# KiCad board AT386SX.kicad_pcb (continued)
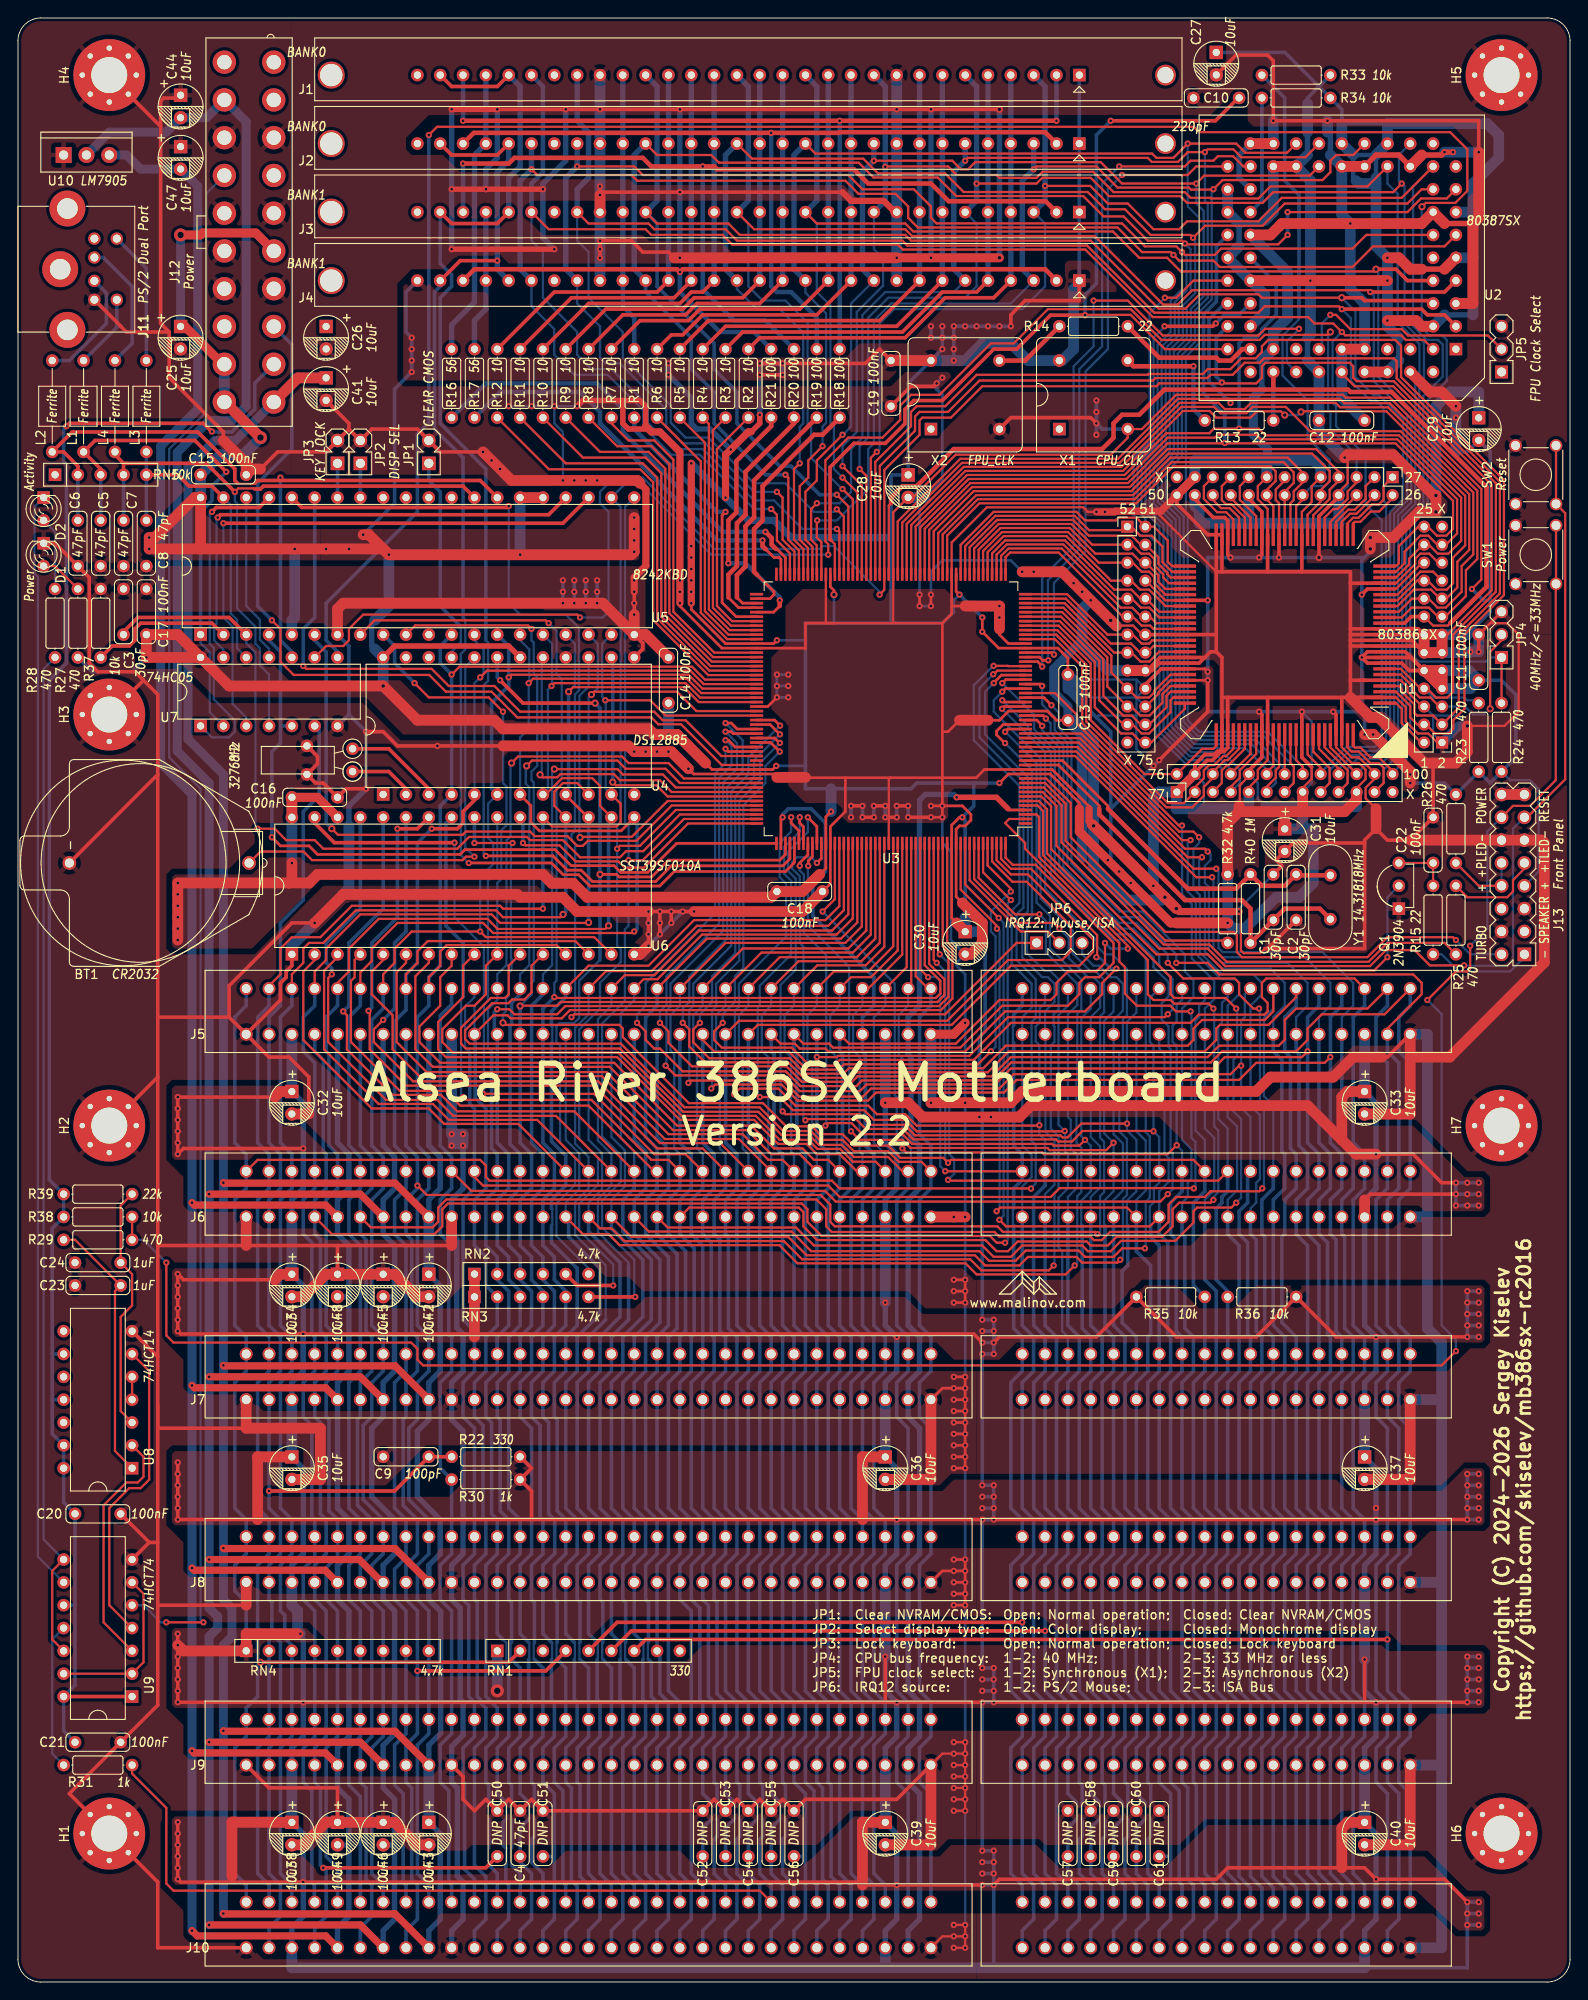
[diagram p0: board, top side]
## Routing (per net, layer and track width the routed paths; a pad name or vN(x,y) marks a point on that pad's centre or on a via; arc(x,y) is an arc through that point) (continued)
  Bottom w0.4: v1(44.13,144.46) 41.91,146.69 41.91,148.59 U5.9 ; J10.60 96.52,10.79 95.25,12.06 95.25,26.35 96.52,27.62 J9.60 96.52,31.08 95.25,32.35 95.25,46.35 96.52,47.62 J8.60 96.52,51.44 95.25,52.71 95.25,66.68 96.52,67.94 J7.60 96.52,71.75 95.25,73.03 95.25,87 96.52,88.26 J6.60
SA3: length 190.1
  Top w0.25: J5.59 94.62,110.49 98.41,114.28 U3.185 ; U6.9 49.53,113.03 49.53,109.54 46.77,106.77 46.77,103.73 47.62,102.87 66.67,102.87 73.66,95.88 81.91,95.88 84.59,93.21 87.76,93.21 88.9,92.07 91.44,92.07 93.34,90.17 J6.59
  Bottom w0.25: J6.59 93.98,92.07 93.66,92.39 93.66,102.87 92.94,103.6 92.94,107.54 93.98,108.58 J5.59
  Bottom w0.4: J6.59 93.98,88.26 92.71,87 92.71,73.03 93.98,71.75 J7.59 93.98,67.94 92.71,66.68 92.71,52.71 93.98,51.44 J8.59 93.98,47.62 92.71,46.35 92.71,32.38 93.98,31.12 J9.59 93.98,27.31 92.71,26.03 92.71,12.06 93.98,10.79 J10.59
SA4: length 190.8
  Top w0.25: U6.8 48.26,113.03 46.99,111.76 46.99,108.58 44.68,106.27 44.68,104.55 46.99,102.23 66.36,102.23 73.34,95.25 81.6,95.25 84.14,92.71 87.31,92.71 88.58,91.44 90.17,91.44 J6.58 ; J5.58 92.71,111.76 94.93,111.76 97.91,114.73 U3.184
  Bottom w0.25: J5.58 91.44,108.58 90.4,107.54 90.4,103.6 91.12,102.87 91.12,92.39 91.44,92.07 J6.58
  Bottom w0.4: J10.58 91.44,10.79 90.49,11.75 90.49,21.91 90.17,22.22 90.17,26.03 91.44,27.31 J9.58 91.44,31.12 90.17,32.38 90.17,46.35 91.44,47.62 J8.58 91.44,51.44 90.17,52.71 90.17,66.68 91.44,67.94 J7.58 91.44,71.75 90.17,73.03 90.17,87 91.44,88.26 J6.58
SA5: length 190.1
  Top w0.25: U3.183 97.41,115.19 94.61,112.39 90.8,112.39 J5.57 ; U6.7 45.72,113.35 44.23,111.85 44.23,103.73 46.17,101.79 65.85,101.79 72.89,94.75 81.15,94.75 83.82,92.07 87,92.07 J6.57
  Bottom w0.25: J5.57 88.9,108.58 87.86,107.54 87.86,102.57 88.38,102.05 88.38,92.6 88.9,92.07 J6.57
  Bottom w0.4: J10.57 88.9,10.79 88.58,11.11 88.58,21.27 87.63,22.22 87.63,26.03 88.9,27.31 J9.57 88.9,31.12 87.63,32.38 87.63,46.35 88.9,47.62 J8.57 88.9,51.44 87.63,52.71 87.63,66.68 88.9,67.94 J7.57 88.9,71.75 87.63,73.03 87.63,87 88.9,88.26 J6.57
SA6: length 190.8
  Top w0.25: U6.6 43.18,113.35 42.14,112.3 42.14,104.55 45.48,101.2 65.48,101.2 72.39,94.3 80.64,94.3 83.5,91.44 85.09,91.44 J6.56 ; U3.181 96.41,115.14 94.35,113.09 88.96,113.09 J5.56
  Bottom w0.25: 85.41,18.1 85.34,18.17 85.34,19.93 85.41,20 ; J6.56 86.36,92.07 86.04,92.39 86.04,102.87 85.32,103.6 85.32,107.54 86.36,108.58 J5.56
  Bottom w0.4: 85.41,20 85.41,21.91 85.09,22.22 85.09,26.03 86.36,27.31 J9.56 86.36,31.12 85.09,32.38 85.09,46.35 86.36,47.62 J8.56 86.36,51.44 85.09,52.71 85.09,66.68 86.36,67.94 J7.56 86.36,71.75 85.09,73.03 85.09,87 86.36,88.26 J6.56 ; 85.41,18.1 85.41,16.19 85.09,15.88 85.09,12.06 86.36,10.79 J10.56
SA7: length 275
  Top w0.25: U6.5 40.64,113.66 39.37,112.39 39.37,109.86 41.69,107.54 41.69,103.73 44.66,100.76 64.98,100.76 71.98,93.76 80.23,93.76 J6.55 ; J10.55 82.55,10.16 17.3,10.16 16.51,10.95 16.51,19.37 12.7,23.18 R31.1 ; J5.55 86.86,113.53 93.85,113.53 95.91,115.59 U3.180
  Bottom w0.25: J6.55 83.82,92.07 83.5,92.39 83.5,102.87 82.78,103.6 82.78,107.54 83.82,108.58 J5.55 ; 82.87,18.1 82.8,18.17 82.8,19.93 82.87,20
  Bottom w0.4: J6.55 83.82,88.26 82.55,87 82.55,73.03 83.82,71.75 J7.55 83.82,67.94 82.55,66.68 82.55,52.71 83.82,51.44 J8.55 83.82,47.62 82.55,46.35 82.55,32.38 83.82,31.12 J9.55 83.82,27.31 82.55,26.03 82.55,22.22 82.87,21.91 82.87,20 ; J10.55 83.82,10.79 82.55,12.06 82.55,15.88 82.87,16.19 82.87,18.1
SA8: length 208.1
  Top w0.25: J5.54 84.77,113.98 93.35,113.98 95.41,116.04 U3.179 ; J6.54 78.14,93.31 71.44,93.31 64.57,100.17 43.97,100.17 39.6,104.55 39.6,105.95 v1(40.64,107)
  Bottom w0.25: 80.33,20 80.26,19.93 80.26,18.17 80.33,18.1 ; J6.54 81.28,92.07 80.64,92.71 80.64,103.19 80.24,103.6 80.24,107.54 81.28,108.58 J5.54
  Bottom w0.4: 80.33,18.1 80.33,16.19 80.01,15.88 80.01,12.06 81.28,10.79 J10.54 ; 80.33,20 80.33,21.91 80.01,22.22 80.01,26.03 81.28,27.31 J9.54 81.28,31.12 80.01,32.38 80.01,46.35 81.28,47.62 J8.54 81.28,51.44 80.01,52.71 80.01,66.68 81.28,67.94 J7.54 81.28,71.75 80.01,73.03 80.01,87 81.28,88.26 J6.54 ; U6.27 43.18,116.84 41.91,115.57 41.91,108.27 v1(40.64,107)
SA9: length 211
  Top w0.25: J5.53 82.75,114.5 92.91,114.5 94.91,116.5 U3.178 ; v1(39.01,108.01) 39.14,107.88 39.14,103.73 43.18,99.69 64.14,99.69 71.12,92.71 76.2,92.71 J6.53
  Top w0.4: U6.26 44.45,128.27 v1(42.23,128.27)
  Bottom w0.25: 77.79,20 77.72,19.93 77.72,18.17 77.79,18.1 ; J6.53 78.74,92.07 78.11,92.71 78.11,103.19 77.7,103.6 77.7,107.54 78.74,108.58 J5.53
  Bottom w0.4: J10.53 78.74,10.79 77.47,12.06 77.47,15.88 77.79,16.19 77.79,18.1 ; J6.53 78.74,88.26 77.47,87 77.47,83.19 78.11,82.55 78.11,72.39 78.74,71.75 J7.53 78.74,67.94 77.47,66.68 77.47,52.71 78.74,51.44 J8.53 78.74,47.62 77.47,46.35 77.47,42.54 77.79,42.23 77.79,32.07 78.74,31.12 J9.53 78.74,27.31 77.47,26.03 77.47,22.22 77.79,21.91 77.79,20 ; v1(42.23,128.27) 42.23,118.43 39.37,115.57 39.37,108.37 v1(39.01,108.01)
SA10: length 196.7
  Top w0.25: U3.177 94.41,116.95 92.41,114.95 80.66,114.95 J5.52 ; v1(51.75,98.78) 64.1,98.78 70.8,92.07 74.3,92.07 J6.52
  Bottom w0.25: J5.52 76.2,108.58 75.16,107.54 75.16,103.6 75.56,103.19 75.56,92.71 76.2,92.07 J6.52 ; v1(51.75,98.78) 51.84,98.87 51.84,108.68 52.3,109.13 52.3,122.46 53.34,123.51 U6.23
  Bottom w0.4: J10.52 76.2,10.79 74.93,12.06 74.93,26.03 76.2,27.31 J9.52 76.2,31.12 75.88,31.43 75.88,41.59 74.93,42.54 74.93,46.35 76.2,47.62 J8.52 76.2,51.44 74.93,52.71 74.93,66.68 76.2,67.94 J7.52 76.2,81.91 74.93,83.19 74.93,87 76.2,88.26 J6.52
SA11: length 199.5
  Top w0.25: J5.51 78.74,115.57 92.08,115.57 93.91,117.4 U3.176 ; v1(49.53,98.43) 49.85,98.11 63.82,98.11 70.48,91.44 72.39,91.44 J6.51
  Bottom w0.25: v1(49.53,98.43) 49.3,98.65 49.3,109.31 49.53,109.54 ; J6.51 73.66,92.07 73.03,92.71 73.03,103.19 72.62,103.6 72.62,107.54 73.66,108.58 J5.51
  Bottom w0.4: 49.53,109.54 49.53,115.57 47.62,117.47 47.62,128.91 U6.25 ; J10.51 73.66,10.79 72.39,12.06 72.39,26.03 73.66,27.31 J9.51 73.66,31.12 72.39,32.38 72.39,46.35 73.66,47.62 J8.51 73.66,51.44 72.39,52.71 72.39,66.68 73.66,67.94 J7.51 73.66,71.75 74.3,72.39 74.3,81.28 72.39,83.19 72.39,87 73.66,88.26 J6.51
SA12: length 192.3
  Top w0.25: J5.50 76.68,116.05 91.6,116.05 93.41,117.85 U3.175 ; J6.50 70.8,90.17 63.5,97.47 49.21,97.47 47.57,99.11 42.49,99.11 37.06,104.55 37.06,111.35 37.46,111.76 37.46,113.66 U6.4
  Bottom w0.25: 70.17,37.78 70.1,37.71 70.1,35.95 70.17,35.88
  Bottom w0.4: J10.50 71.12,10.79 69.85,12.06 69.85,26.03 71.12,27.31 J9.50 71.12,31.12 70.48,31.75 70.48,35.56 70.17,35.88 ; J5.50 71.12,108.58 69.85,107.31 69.85,93.98 71.12,92.71 J6.50 71.12,88.26 69.85,87 69.85,83.19 72.39,80.65 72.39,73.03 71.12,71.75 J7.50 71.12,67.94 69.85,66.68 69.85,52.71 71.12,51.44 J8.50 71.12,47.62 69.85,46.35 69.85,42.54 70.17,42.23 70.17,37.78
SA13: length 210
  Top w0.25: v1(36.2,107.95) 36.6,107.54 36.6,103.73 41.67,98.66 47.07,98.66 48.89,96.84 61.91,96.84 J6.49 ; U3.174 92.91,118.3 91.1,116.5 76.13,116.5 71.17,111.53 69.62,111.53 J5.49
  Bottom w0.25: J5.49 68.58,109.22 67.08,107.72 67.08,93.89 68.58,92.39 J6.49 ; 67.63,37.78 67.56,37.71 67.56,35.95 67.63,35.88
  Bottom w0.4: J10.49 68.58,10.79 67.31,12.06 67.31,26.03 68.58,27.31 J9.49 68.58,34.93 67.63,35.88 ; 67.63,37.78 67.63,42.23 67.31,42.54 67.31,46.35 68.58,47.62 J8.49 68.58,51.44 67.31,52.71 67.31,66.68 68.58,67.94 J7.49 68.58,71.75 70.48,73.66 70.48,80.33 67.31,83.5 67.31,87 68.58,88.26 J6.49 ; v1(36.2,107.95) 36.83,108.58 36.83,115.57 40.64,119.38 U6.28
SA14: length 211
  Top w0.25: J5.48 67.53,111.98 70.83,111.98 75.79,116.95 90.59,116.95 92.41,118.76 U3.173 ; J6.48 59.88,96.33 48.45,96.33 46.67,98.11 40.96,98.11 34.52,104.55 34.52,111.67 v1(34.92,112.08)
  Bottom w0.25: 67.94,79.69 67.94,80.01 64.54,83.41 64.54,87.09 66.04,88.58 J6.48 66.04,92.07 65.44,92.67 64.55,93.57 64.55,107.09 66.04,108.58 J5.48 ; 65.09,37.78 65.02,37.71 65.02,35.95 65.09,35.88
  Bottom w0.4: U6.29 38.1,119.38 34.29,115.57 34.29,113.37 34.92,112.74 v1(34.92,112.08) ; J10.48 66.04,10.79 64.77,12.06 64.77,26.03 66.04,27.31 J9.48 66.04,34.93 65.09,35.88 ; 65.09,37.78 65.09,42.23 64.77,42.54 64.77,46.35 66.04,47.62 J8.48 66.04,51.44 64.77,52.71 64.77,66.68 66.04,67.94 J7.48 66.04,71.75 67.94,73.66 67.94,79.69
SA15: length 194.6
  Top w0.25: U3.172 91.91,119.21 90.17,117.47 75.56,117.47 70.52,112.43 65.44,112.43 J5.47 ; U6.3 35.56,113.98 34.06,112.49 34.06,103.73 40.14,97.66 46.17,97.66 47.94,95.88 57.78,95.88 J6.47
  Bottom w0.25: 65.41,73.66 65.41,79.69 62,83.09 62,86.77 63.5,88.26 J6.47 63.5,91.76 62,93.25 62,106.13 63.5,107.63 J5.47 ; 62.55,35.88 62.48,35.95 62.48,37.71 62.55,37.78
  Bottom w0.4: 62.55,37.78 62.55,42.23 62.23,42.54 62.23,46.35 63.5,47.62 J8.47 63.5,51.44 62.23,52.71 62.23,66.68 63.5,67.94 J7.47 63.5,71.75 65.41,73.66 ; 62.55,35.88 63.5,34.93 J9.47 63.5,27.31 62.23,26.03 62.23,22.22 62.55,21.91 62.55,11.75 63.5,10.79 J10.47
SA16: length 195.2
  Top w0.25: J6.46 55.69,95.44 47.44,95.44 45.72,97.15 39.37,97.15 31.75,104.78 31.75,112.39 33.02,113.66 U6.2 ; J5.46 63.5,113.03 70.17,113.03 75.25,118.11 89.85,118.11 91.41,119.66 U3.171
  Bottom w0.25: 60.01,37.78 59.94,37.71 59.94,35.95 60.01,35.88 ; 59.37,86.04 59.46,85.95 59.46,84.23 59.37,84.14 ; 59.37,104.46 59.46,104.55 59.46,106.27 59.37,106.36
  Bottom w0.4: J10.46 60.96,10.79 60.64,11.11 60.64,21.27 59.69,22.22 59.69,26.03 60.96,27.31 J9.46 60.96,34.93 60.01,35.88 ; 59.37,104.46 59.37,93.5 60.96,91.92 J6.46 60.96,88.58 59.37,87 59.37,86.04 ; J5.46 60.96,109.54 59.37,107.95 59.37,106.36 ; 59.37,84.14 59.37,82.23 62.23,79.38 62.23,73.03 60.96,71.75 J7.46 60.96,67.94 59.69,66.68 59.69,62.87 60.01,62.55 60.01,52.39 60.96,51.44 J8.46 60.96,47.62 59.69,46.35 59.69,42.54 60.01,42.23 60.01,37.78
SA17: length 157.2
  Top w0.25: U3.148 73.2,132.86 71.75,134.3 67.31,134.3 66.71,134.9 59.69,134.9 v2(59.69,134.9)
  Bottom w0.25: 57.47,20 57.4,19.93 57.4,18.17 57.47,18.1 ; J5.45 58.42,112.08 59.44,113.1 59.44,134.66 v2(59.69,134.9) ; 57.47,35.88 57.4,35.95 57.4,37.64 57.47,37.71
  Bottom w0.3: 58.22,109.93 58.22,110.49 58.26,110.49
  Bottom w0.4: 57.47,35.88 58.42,34.93 J9.45 58.42,27.31 57.15,26.03 57.15,22.22 57.47,21.91 57.47,20 ; 57.47,37.71 57.47,42.22 57.15,42.54 57.15,46.35 58.42,47.62 J8.45 58.42,51.44 58.1,51.75 58.1,61.91 57.15,62.87 57.15,66.68 58.42,67.94 J7.45 58.42,71.75 59.69,73.03 59.69,76.84 58.42,78.1 RN2.4 58.42,80.65 57.15,81.91 57.15,87 58.42,88.26 J6.45 58.42,92.07 57.15,93.34 57.15,108.58 58.42,109.86 J5.45 ; 57.47,18.1 57.47,16.19 57.15,15.88 57.15,13.34 58.42,12.06 J10.45
SA18: length 160.3
  Top w0.25: U3.147 73.66,133.36 72.07,134.94 67.63,134.94 66.71,135.85 57.2,135.85 v2(56.6,135.25)
  Bottom w0.25: 54.93,14.92 54.86,14.85 54.86,13.09 54.93,13.02 ; J5.44 55.88,112.08 56.9,113.1 56.9,132.89 56.52,133.28 56.52,135.17 v2(56.6,135.25) ; 54.93,20 54.86,19.93 54.86,18.17 54.93,18.1 ; 54.93,35.88 54.81,35.99 54.81,37.67 54.93,37.78
  Bottom w0.4: 54.93,35.88 55.88,34.93 J9.44 55.88,27.31 54.61,26.03 54.61,22.22 54.93,21.91 54.93,20 ; 54.93,13.02 55.88,12.06 J10.44 ; J5.44 55.88,109.86 54.93,108.9 54.93,106.5 54.76,106.33 54.76,93.19 55.88,92.07 J6.44 55.88,88.26 54.61,87 54.61,81.91 55.88,80.65 RN2.3 55.88,78.1 57.15,76.84 57.15,73.03 55.88,71.75 J7.44 55.88,67.94 54.61,66.68 54.61,52.71 55.88,51.44 J8.44 55.88,47.62 54.61,46.35 54.61,42.54 54.93,42.23 54.93,37.78 ; 54.93,14.92 54.93,18.1
SA19: length 163.9
  Top w0.25: U3.146 74.11,133.86 72.39,135.57 67.94,135.57 67.22,136.3 55.66,136.3 v2(54.93,135.57)
  Bottom w0.25: v2(54.93,135.57) 54.81,135.46 54.81,127.41 54.36,126.96 54.36,113.1 53.34,112.08 J5.43 53.34,109.22 52.3,108.18 52.3,103.91 52.7,103.5 ; 52.39,20 52.32,19.93 52.32,18.17 52.39,18.1 ; 52.39,13.02 52.32,13.09 52.32,14.85 52.39,14.92
  Bottom w0.4: 52.7,103.5 52.7,92.71 53.34,92.07 J6.43 53.34,88.26 52.07,87 52.07,81.91 53.34,80.65 RN2.2 53.34,78.1 54.61,76.84 54.61,73.03 53.34,71.75 J7.43 ; J7.43 53.34,67.94 52.07,66.68 52.07,62.87 52.7,62.23 52.7,52.07 53.34,51.44 J8.43 53.34,47.62 52.07,46.35 52.07,31.75 53.34,30.48 J9.43 53.34,27.31 52.07,26.03 52.07,22.22 52.39,21.91 52.39,20 ; J7.43 53.34,71.6 ; J10.43 53.34,12.06 52.39,13.02 ; 52.39,14.92 52.39,18.1
SD0: length 203.4
  Top w0.25: U3.124 76.44,144.86 75,146.3 49.14,146.3 v1(48.26,145.41) ; U6.13 59.94,115.32 47.7,115.32 46.99,114.62 46.99,113.03 45.72,111.76 J5.40
  Bottom w0.4: J10.40 45.72,10.79 44.45,12.06 44.45,26.35 45.72,27.62 J9.40 RN4.9 45.72,41.28 44.45,42.54 44.45,46.35 45.72,47.62 J8.40 45.72,51.44 43.5,53.66 43.5,61.59 44.45,62.55 44.45,66.68 45.72,67.94 J7.40 45.72,71.75 44.45,73.03 44.45,87 45.72,88.26 J6.40 45.72,91.76 44.45,93.03 44.45,107.31 45.72,108.58 J5.40 45.72,111.76 46.99,113.03 46.99,130.81 U4.4 v1(48.26,145.41) 46.99,146.69 46.99,148.59 U5.12
SD1: length 208.4
  Top w0.25: J5.39 43.18,112.08 44.45,113.35 44.45,114.62 45.61,115.77 62.03,115.77 U6.14 ; U3.125 76.31,144.36 74.81,145.85 52.19,145.85 v1(51.44,145.1)
  Top w0.4: U4.5 50.8,131.44 49.53,130.18 49.53,128.91 48.89,128.27 v1(46.04,128.27)
  Bottom w0.25: U5.13 50.8,149.22 51.82,148.2 51.82,145.48 v1(51.44,145.1) 50.8,144.46 U4.5
  Bottom w0.4: v1(46.04,128.27) 44.45,126.68 44.45,113.35 43.18,112.08 J5.39 43.18,108.11 41.91,106.84 41.91,93.03 43.18,91.76 J6.39 43.18,88.26 41.91,87 41.91,83.19 43.18,81.91 J7.39 43.18,67.94 41.91,66.68 41.91,52.71 43.18,51.44 J8.39 43.18,47.2 41.91,45.93 41.91,42.54 43.18,41.28 RN4.8 J9.39 43.18,27.62 41.91,26.35 41.91,21.91 42.86,20.96 42.86,11.11 43.18,10.79 J10.39
SD2: length 202.8
  Top w0.25: J5.38 40.64,112.08 41.91,113.35 41.91,114.94 43.81,116.84 51.43,116.84 v1(51.44,116.84) 52.05,116.22 64.12,116.22 U6.15 ; U3.126 76.17,143.86 74.63,145.4 54.91,145.4 v1(54.61,145.1)
  Bottom w0.25: v1(51.44,116.84) 51.44,122.87 52.89,124.33 52.89,126.68 52.32,127.26 52.32,131.06 U4.6
  Bottom w0.4: J5.38 40.64,108.27 39.37,107 39.37,93.03 40.64,91.76 J6.38 40.64,88.26 39.37,87 39.37,73.03 40.64,71.75 J7.38 40.64,67.94 39.37,66.68 39.37,62.87 38.42,61.91 38.42,53.66 40.64,51.44 J8.38 40.64,47.62 39.37,46.35 39.37,42.54 40.64,41.28 RN4.7 J9.38 40.64,27.31 39.37,26.03 39.37,12.06 40.64,10.79 J10.38 ; U5.14 54.61,148.59 v1(54.61,145.1) 54.61,144.14 52.7,142.24 52.7,132.72 U4.6
SD3: length 217.3
  Top w0.25: J5.37 38.1,112.28 39.37,113.55 39.37,114.94 42.23,117.79 51.75,117.79 52.87,116.67 68.41,116.67 v1(68.58,116.84) ; U3.127 76.04,143.36 74.44,144.95 57.32,144.95 56.81,144.44 v1(56.83,144.46)
  Top w0.3: 55.84,132.08 57.07,130.85 57.07,128.98 58.02,128.03 67.11,128.03 68.58,129.5
  Bottom w0.25: U5.15 55.88,149.22 56.9,148.2 56.9,144.53 v1(56.83,144.46) 56.83,139.38 55.88,138.43 U4.7
  Bottom w0.4: 68.94,129.18 U6.17 68.9,129.22 68.9,117.16 v1(68.58,116.84) ; J5.37 38.1,108.58 36.83,107.31 36.83,93.06 37.78,92.11 37.78,92.07 38.1,91.76 J6.37 38.1,88.26 36.83,87 36.83,83.19 38.1,81.91 J7.37 38.1,67.94 36.83,66.68 36.83,52.71 38.1,51.44 J8.37 38.1,47.62 36.83,46.35 36.83,42.54 38.1,41.28 RN4.6 J9.37 38.1,27.31 36.83,26.03 36.83,21.91 38.1,20.64 J10.37
SD4: length 208.8
  Top w0.25: U3.128 75.9,142.86 74.29,144.46 59.69,144.46 v1(59.37,144.14) ; v2(65.72,117.47) 65.37,117.12 53.38,117.12 52.26,118.24 40.14,118.24 36.83,114.94 36.83,112.39 35.56,111.12 J5.36 ; U6.18 64.77,130.81 64.77,133.03 63.91,133.89 60.55,133.89 58.74,132.08 U4.8
  Top w0.3: 58.38,132.04 58.58,132.04
  Bottom w0.25: U4.8 58.97,132.63 58.97,143.74 v1(59.37,144.14) 59.44,144.22 59.44,148.84 U5.16
  Bottom w0.4: U6.18 65.72,129.22 v2(65.72,117.47) ; J10.36 35.56,12.7 34.29,13.97 34.29,26.03 35.56,27.31 J9.36 RN4.5 35.56,41.28 34.29,42.54 34.29,46.07 35.56,47.34 J8.36 35.56,51.44 34.61,52.39 34.61,62.55 34.29,62.87 34.29,66.68 35.56,67.94 J7.36 35.56,71.75 34.29,73.03 34.29,87 35.56,88.26 J6.36 35.56,92.07 34.61,93.03 34.61,103.19 34.29,103.5 34.29,107.31 35.56,108.58 J5.36
SD5: length 198.7
  Top w0.25: J5.35 33.02,112.39 34.29,113.66 34.29,114.94 38.1,118.75 52.7,118.75 53.66,117.79 63.45,117.79 v2(63.5,117.85) ; v2(61.28,143.51) 61.78,144.01 74.11,144.01 75.76,142.36 U3.129
  Top w0.3: 63.46,129.5 60.92,132.04
  Bottom w0.25: v2(61.28,143.51) 61.98,144.22 61.98,148.84 U5.17
  Bottom w0.4: v2(61.28,143.51) 61.28,132.72 60.96,132.4 U4.9 ; U6.19 v2(63.5,117.85) ; J5.35 33.02,108.58 31.75,107.31 31.75,103.5 33.02,102.23 J6.35 33.02,88.26 31.75,87 31.75,83.19 32.7,82.23 32.7,72.07 33.02,71.75 J7.35 33.02,67.94 31.75,66.68 31.75,62.87 32.7,61.91 32.7,51.75 33.02,51.44 J8.35 33.02,47.2 31.75,45.93 31.75,42.54 33.02,41.28 RN4.4 J9.35 33.02,27.25 31.75,25.98 31.75,22.22 32.7,21.27 32.7,11.11 32.98,10.83 32.98,8.97
SD6: length 200
  Top w0.25: v2(63.82,143.19) 64.14,143.51 73.34,143.51 75.5,141.36 U3.131 ; U6.20 59.69,130.81 59.69,132.4 60.64,133.35 62.23,133.35 U4.10 ; v2(60.66,118.75) 60.34,118.43 53.97,118.43 53.21,119.19 37.6,119.19 33.97,115.57 32.38,115.57 31.75,114.94 31.75,113.35 30.48,112.08 J5.34
  Bottom w0.25: U4.10 63.5,142.88 v2(63.82,143.19) 64.52,143.9 64.52,148.84 U5.18
  Bottom w0.4: J10.34 30.48,10.79 29.21,12.06 29.21,26.03 30.48,27.31 J9.34 RN4.3 30.48,37.47 29.69,38.26 29.69,40.8 29.21,41.28 29.21,46.35 30.48,47.62 J8.34 30.48,51.44 29.21,52.71 29.21,66.68 30.48,67.94 J7.34 30.48,71.75 29.21,73.03 29.21,87 30.48,88.26 J6.34 30.48,92.07 29.21,93.34 29.21,107.31 30.48,108.58 J5.34 ; v2(60.66,118.75) 60.96,119.04 U6.20
SD7: length 203.7
  Top w0.25: U3.132 72.07,140.86 70.37,142.56 v1(65.37,142.56) ; U4.11 67.06,131.06 67.06,128.98 66.6,128.52 59.44,128.52 U6.21 ; v1(58.42,119.38) 53.97,119.38 53.66,119.7 37.15,119.7 33.66,116.2 30.48,116.2 29.21,114.94 29.21,112.08 27.94,110.81 J5.33
  Bottom w0.25: U4.11 65.41,132.72 65.41,142.56 65.02,142.95 65.02,148.84 U5.19 ; 27.94,71.75 J7.33
  Bottom w0.4: U6.21 v1(58.42,119.38) ; 27.94,51.44 26.67,52.71 26.67,66.68 27.94,67.94 J7.33 ; 27.94,51.44 26.89,52.48 ; 27.94,51.44 J8.33 27.94,47.62 26.67,46.35 26.67,39.37 27.94,38.1 RN4.2 J9.33 27.94,27.31 26.67,26.03 26.67,12.06 27.94,10.79 J10.33 ; J5.33 27.94,108.58 26.67,107.31 26.67,93.34 27.94,92.07 J6.33 27.94,88.26 26.67,87 26.67,73.03 27.94,71.75
SD8: length 217.3
  Top w0.25: v1(136.12,101.92) 135.89,101.92 134.94,100.97 110.8,100.97 109.22,99.38 94.93,99.38 94.03,98.48 86.94,98.48 85.15,100.27 74.87,100.27 v1(74.61,100.01)
  Top w0.3: v1(84.81,139.74) 84.19,140.36 U3.133
  Bottom w0.25: v1(74.61,100.01) 74.7,100.1 74.7,108.14 75.15,108.58 75.15,111.03 79.38,115.25 79.38,132.4 81.28,134.3 81.28,136.21 v1(84.81,139.74) ; J5.91 136.53,109.86 136.53,107.31 136.12,106.91 136.12,97.25 137.16,96.2 J6.91
  Bottom w0.4: J6.91 136.84,89.85 136.84,86.68 135.89,85.72 135.89,83.19 136.84,82.23 136.84,72.07 137.16,71.75 J7.91 137.16,67.94 135.89,66.68 135.89,52.71 137.16,51.44 J8.91 137.16,47.62 135.89,46.35 135.89,32.38 137.16,31.12 J9.91 137.16,27.31 135.89,26.03 135.89,11.75 137.16,10.48 J10.91
SD9: length 220.1
  Top w0.25: J5.92 139.7,107.95 138.75,107 133.99,107 133.98,107 131.76,107 130.81,106.04 130.81,104.78 130.18,104.14 109.94,104.14 107.42,101.63 92.46,101.63 91.85,101.02 87.61,101.02 85.89,102.74 76.93,102.74 75.16,104.51 75.16,105.95 v1(75.88,106.68)
  Top w0.3: v1(84.79,138.76) 83.7,139.86 U3.134
  Bottom w0.25: J6.92 139.7,97.47 138.66,98.52 138.66,107.22 139.7,108.27 J5.92 ; v1(84.79,138.76) 84.52,138.49 84.51,138.49 81.91,135.89 81.91,133.99 79.82,131.89 79.82,114.43 77.24,111.85 77.24,108.99 76.65,108.4 76.65,108.4 75.88,107.63 v1(75.88,106.68)
  Bottom w0.4: J6.92 139.7,88.26 138.43,87 138.43,83.19 138.75,82.87 138.75,72.71 139.7,71.75 J7.92 139.7,67.94 138.43,66.68 138.43,52.71 139.7,51.44 J8.92 139.7,47.62 138.43,46.35 138.43,32.38 139.7,31.12 J9.92 139.7,27.31 138.43,26.03 138.43,11.75 139.7,10.48 J10.92
SD10: length 224.8
  Top w0.25: J5.93 142.24,109.54 139.16,106.45 133.76,106.45 133.35,106.04 133.35,104.78 132.08,103.5 110.25,103.5 107.92,101.18 92.92,101.18 92.32,100.57 87.43,100.57 85.71,102.29 76.46,102.29 74.7,104.05 74.7,105.95 v1(73.98,106.68)
  Top w0.3: U3.135 80.04,139.36 79.38,140.02 v1(78.74,140.02)
  Bottom w0.25: v1(73.98,106.68) 73.98,108.27 74.11,108.4 74.11,108.4 74.7,108.99 74.7,111.85 78.93,116.07 78.93,132.9 80.64,134.62 80.64,138.11 79.41,139.34 79.41,139.34 79.02,139.74 79.02,139.74 v1(78.74,140.02)
  Bottom w0.4: 141.12,66.83 142.24,67.94 J7.93 142.24,71.75 140.65,73.34 140.65,82.87 140.97,83.19 140.97,87 142.24,88.26 J6.93 142.24,92.07 141.6,92.71 141.6,102.87 140.97,103.5 140.97,107.31 142.24,108.58 J5.93 ; J10.93 142.24,10.48 140.97,11.75 140.97,26.03 142.24,27.31 J9.93 142.24,31.12 140.97,32.38 140.97,46.35 142.24,47.62 J8.93 142.24,51.44 140.97,52.71 140.97,66.68
SD11: length 225.8
  Top w0.25: v1(72.07,101.92) 73.16,100.83 85.26,100.83 86.69,99.4 87,99.09 93.69,99.09 94.43,99.83 108.72,99.83 110.49,101.6 133.03,101.6 134.3,102.87 142.88,102.87 v1(143.51,103.5)
  Top w0.3: U3.136 79.58,138.86 79.38,139.06 v1(78.74,139.06)
  Bottom w0.25: v1(78.74,139.06) 79.02,138.79 79.02,138.79 79.41,138.39 79.41,138.39 80.01,137.8 80.01,134.94 78.48,133.4 78.48,116.89 72.62,111.03 72.62,108.49 72.16,108.04 72.16,102.01 v1(72.07,101.92)
  Bottom w0.4: J5.94 144.78,108.58 143.51,107.31 143.51,93.34 144.78,92.07 J6.94 144.78,88.26 143.51,87 143.51,83.19 144.78,81.91 J7.94 144.78,67.94 143.51,66.68 143.51,52.71 144.78,51.44 J8.94 144.78,47.62 143.51,46.35 143.51,32.38 144.78,31.12 J9.94 144.78,27.31 143.51,26.03 143.51,12.06 144.78,10.79 J10.94
SD12: length 223.1
  Top w0.25: v1(77.15,99.38) 77.59,99.82 84.97,99.82 86.75,98.03 94.6,98.03 95.49,98.93 109.72,98.93 111.12,100.33 135.89,100.33 137.79,102.23 145.41,102.23 v1(146.05,102.87)
  Top w0.3: U3.137 84.21,138.36 84.75,137.81 v1(84.79,137.81)
  Bottom w0.25: v1(77.15,99.38) 77.24,99.47 77.24,108.04 77.7,108.49 77.7,111.03 80.27,113.61 80.27,131.39 82.59,133.71 82.59,135.61 84.49,137.52 v1(84.79,137.81)
  Bottom w0.4: J10.95 147.32,10.79 146.05,12.06 146.05,26.03 147.32,27.31 J9.95 147.32,31.12 146.05,32.38 146.05,46.35 147.32,47.62 J8.95 147.32,51.44 146.05,52.71 146.05,66.68 147.32,67.94 J7.95 147.32,71.75 146.69,72.39 146.69,82.55 146.05,83.19 146.05,87 147.32,88.26 J6.95 147.32,92.07 146.05,93.34 146.05,107.31 147.32,108.58 J5.95
SD13: length 225.8
  Top w0.25: v1(78.42,106.68) 77.47,105.73 77.47,104.78 78.33,103.92 86.11,103.92 88.11,101.92 90.81,101.92 91.44,102.55 106.36,102.55 107.59,103.78 107.59,103.78 110.49,106.68 130.49,106.68 131.41,107.59 138.71,107.59 139.06,107.95 139.06,108.9 138.43,109.54 138.43,111.12 138.92,111.62 148.73,111.62 J5.96
  Top w0.3: U3.138 83.76,137.86 v1(84.77,136.84)
  Bottom w0.25: v1(78.42,106.68) 78.42,107.63 79.19,108.4 79.19,108.4 79.78,108.99 79.78,111.85 80.72,112.79 80.72,130.89 83.19,133.35 83.19,135.25 v1(84.77,136.84)
  Bottom w0.4: J10.96 149.86,10.79 148.59,12.06 148.59,26.03 149.86,27.31 J9.96 149.86,31.12 148.59,32.38 148.59,46.35 149.86,47.62 J8.96 149.86,51.44 148.59,52.71 148.59,66.68 149.86,67.94 J7.96 149.86,71.75 148.59,73.03 148.59,87 149.86,88.26 J6.96 149.86,92.07 148.59,93.34 148.59,107.31 149.86,108.58 J5.96
SD14: length 235.5
  Top w0.25: J5.97 150.18,108.27 142.24,108.27 140.97,107 140.97,104.8 140.31,104.14 133.67,104.14 132.4,102.87 110.49,102.87 108.34,100.73 93.42,100.73 92.82,100.12 87.24,100.12 85.52,101.84 75.01,101.84 72.39,104.46 72.39,105.73 v1(71.44,106.68)
  Top w0.3: v1(78.74,138.11) 79.06,138.11 79.81,137.36 U3.139
  Bottom w0.25: v1(78.74,138.11) 78.74,138.11 79.41,137.44 79.41,135.29 78.03,133.91 78.03,117.71 72.16,111.85 72.16,108.68 71.44,107.95 v1(71.44,106.68)
  Bottom w0.4: J5.97 152.4,108.58 151.13,107.31 151.13,103.5 152.4,102.23 J6.97 152.4,88.26 151.13,87 151.13,73.03 152.4,71.75 J7.97 152.4,67.94 151.13,66.68 151.13,62.87 152.4,61.59 J8.97 152.4,47.62 151.13,46.35 151.13,32.38 152.4,31.12 J9.97 152.4,27.31 151.23,26.14 ; 151.13,26.03 151.13,22.22 152.4,20.96 J10.97
SD15: length 239.7
  Top w0.25: v1(68.9,106.68) 69.85,105.73 69.85,104.78 70.8,103.82 71.44,103.82 73.98,101.28 85.44,101.28 85.58,101.14 86.95,99.78 87.08,99.64 93.29,99.64 93.93,100.28 108.53,100.28 110.52,102.27 132.75,102.27 133.98,103.5 142.24,103.5 143.51,104.78 143.51,106.04 145.1,107.63 152.08,107.63 J5.98
  Top w0.3: U3.140 79.05,136.86 v1(78.74,137.16)
  Bottom w0.25: v1(78.74,137.16) 78.74,135.57 77.58,134.41 77.58,118.85 69.85,111.12 69.85,108.58 68.9,107.63 v1(68.9,106.68)
  Bottom w0.4: J10.98 154.94,20.96 153.67,22.22 153.67,26.03 154.94,27.31 J9.98 154.94,31.12 153.67,32.38 153.67,46.35 154.94,47.62 J8.98 154.94,61.59 153.67,62.87 153.67,66.68 154.94,67.94 J7.98 154.94,71.75 153.67,73.03 153.67,87 154.94,88.26 J6.98 154.94,102.23 153.67,103.5 153.67,107.31 154.94,108.58 J5.98
TC: length 166.7
  Top w0.25: v1(123.51,114.93) 123.51,115.25 113.63,125.13 113.63,129.58 113.35,129.86 113.34,129.86 U3.3 ; v1(120.97,115.57) 120.97,113.35 120.01,112.39 116.84,112.39 115.57,111.12 115.57,109.86 114.94,109.22 109.22,109.22 104.37,104.37 92.48,104.37 J5.27
  Bottom w0.3: v1(120.97,115.57) 121.6,114.93 v1(123.51,114.93)
  Bottom w0.4: J5.27 91.44,103.5 91.76,103.19 91.76,93.03 92.71,92.07 92.71,88.26 91.44,87 J6.27 91.44,73.03 92.71,71.75 92.71,67.94 91.44,66.68 J7.27 91.44,52.71 92.71,51.44 92.71,47.62 91.44,46.35 J8.27 91.44,32.38 92.71,31.12 92.71,27.31 91.44,26.03 J9.27 91.44,12.06 92.71,10.79 92.71,6.98 91.44,5.72 J10.27
